# Altium PCB top_LM_v1.PcbDoc (part 2 of 5)
Units mil, origin at the board's own origin, x right, y up, seen from the top; angles counter-clockwise.
Board outline 13413.03 x 6200.01 mil, 2 copper layers (Top Layer, Bottom Layer); 748 components, 568 nets, 1910 pads, 545 vias.
Unrouted connection lines stored in the file: 211.
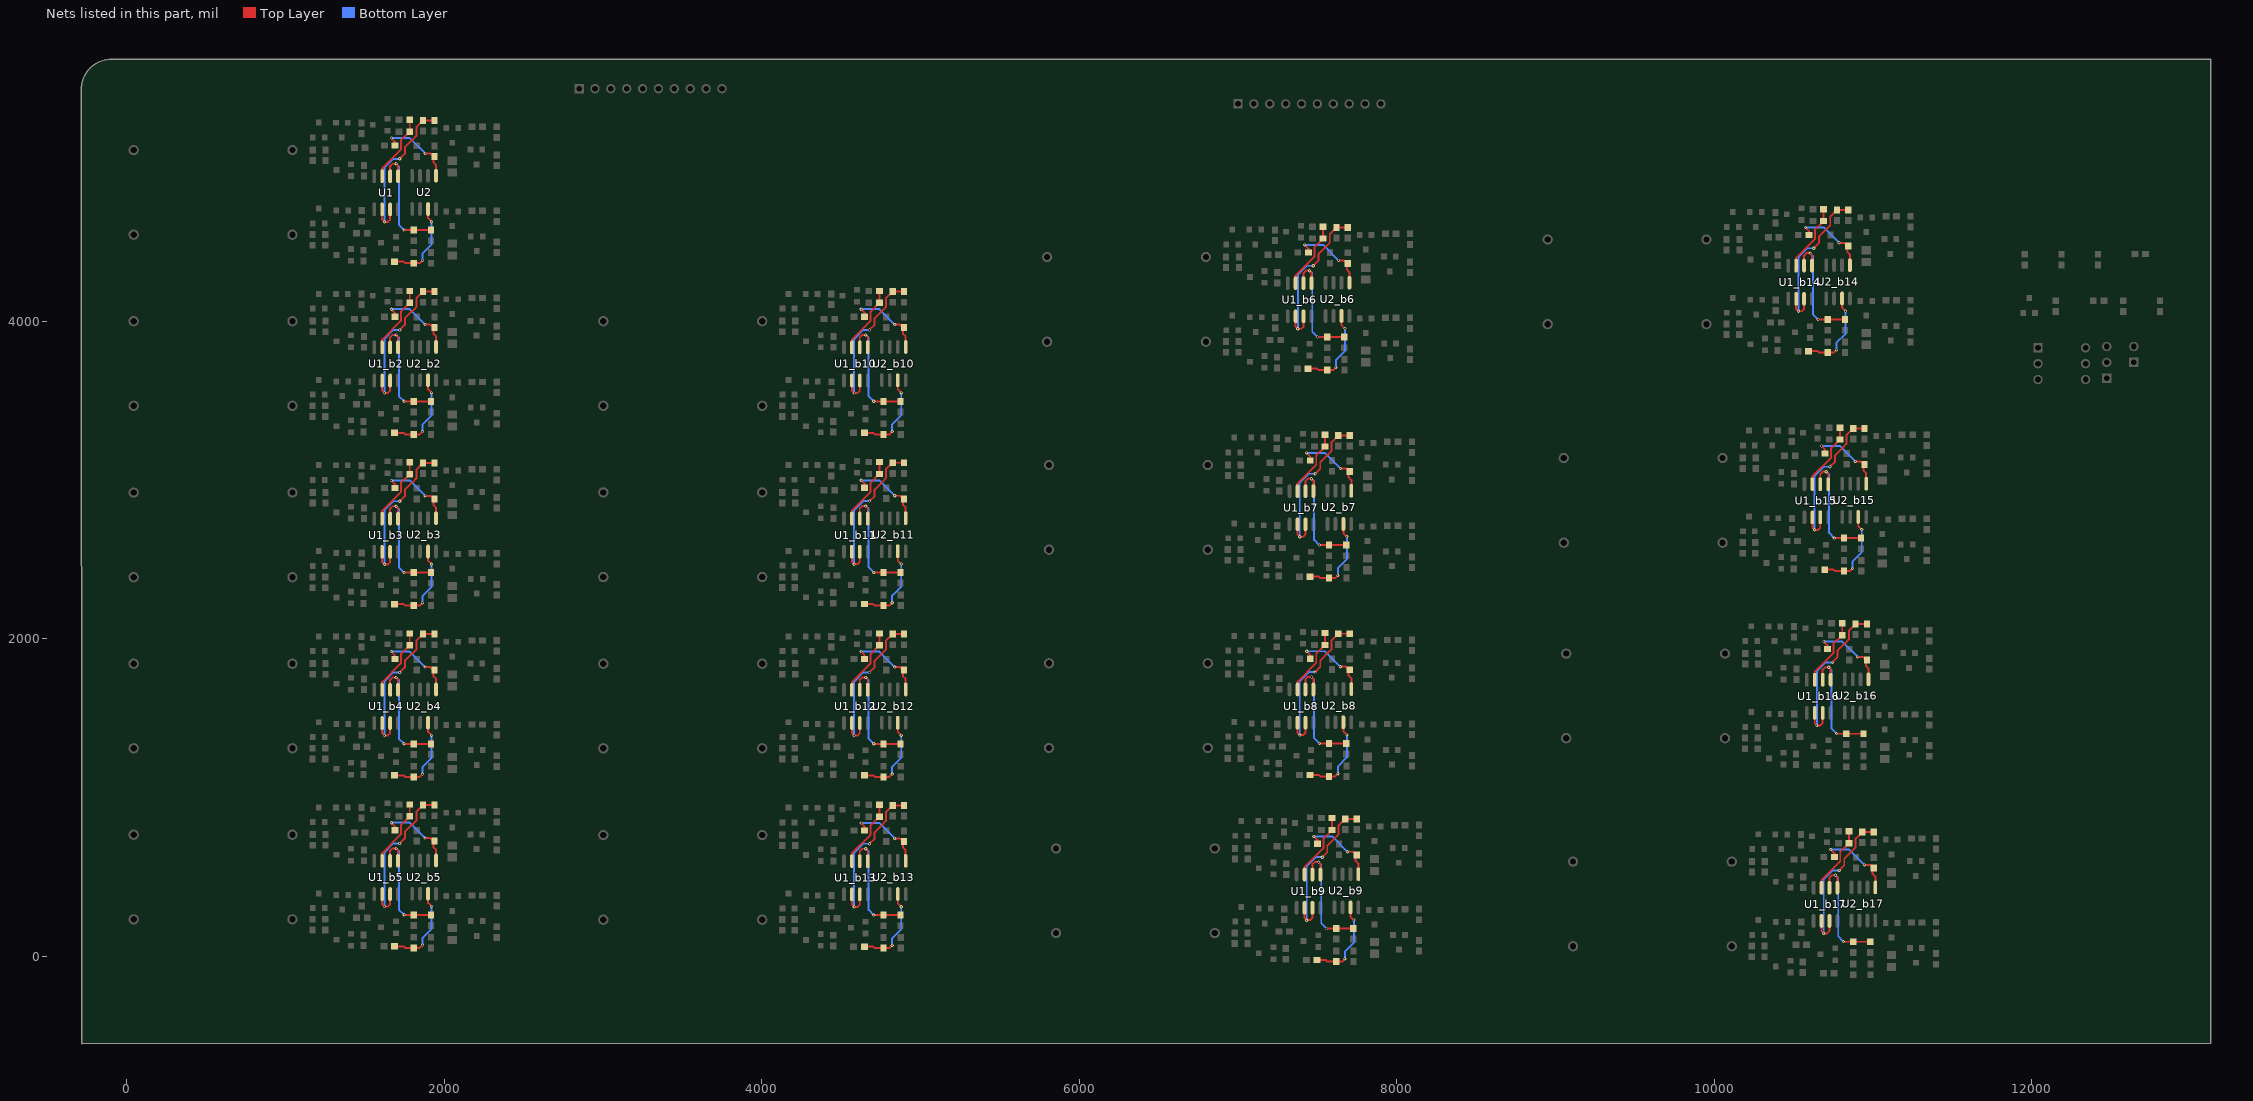
[diagram p2: the nets of this part, all layers, seen from the top]

## Components (designator, comment, footprint, x,y, rotation, side; value= is the part's Value field where it differs from the comment) (continued)
R41_b4 "Res1" 0603-1 1171,1276.26 r270 top (schematic designator R41)
R41_b5 "Res1" 0603-1 1171,199.26 r270 top (schematic designator R41)
R41_b6 "Res1" 0603-1 6923.75,3837.72 r270 top (schematic designator R41)
R41_b7 "Res1" 0603-1 6935.75,2527.72 r270 top (schematic designator R41)
R41_b8 "Res1" 0603-1 6935.75,1278.72 r270 top (schematic designator R41)
R41_b9 "Res1" 0603-1 6980,113 r270 top (schematic designator R41)
R41_b10 "Res1" 0603-1 4129,3433.26 r270 top (schematic designator R41)
R41_b11 "Res1" 0603-1 4129,2355.26 r270 top (schematic designator R41)
R41_b12 "Res1" 0603-1 4129,1276.26 r270 top (schematic designator R41)
R41_b13 "Res1" 0603-1 4129,197.26 r270 top (schematic designator R41)
R41_b14 "Res1" 0603-1 10076,3948 r270 top (schematic designator R41)
R41_b15 "Res1" 0603-1 10178,2571.74 r270 top (schematic designator R41)
R41_b16 "Res1" 0603-1 10193,1340 r270 top (schematic designator R41)
R41_b17 "Res1" 0603-1 10236,30 r270 top (schematic designator R41)
R42 "Res1" 0603-1 1251,4511.26 r270 top
R42_b2 "Res1" 0603-1 1251,3433.26 r270 top (schematic designator R42)
R42_b3 "Res1" 0603-1 1251,2354.26 r270 top (schematic designator R42)
R42_b4 "Res1" 0603-1 1251,1276.26 r270 top (schematic designator R42)
R42_b5 "Res1" 0603-1 1251,199.26 r270 top (schematic designator R42)
R42_b6 "Res1" 0603-1 7003.75,3837.72 r270 top (schematic designator R42)
R42_b7 "Res1" 0603-1 7015.75,2527.72 r270 top (schematic designator R42)
R42_b8 "Res1" 0603-1 7015.75,1278.72 r270 top (schematic designator R42)
R42_b9 "Res1" 0603-1 7060,113 r270 top (schematic designator R42)
R42_b10 "Res1" 0603-1 4209,3433.26 r270 top (schematic designator R42)
R42_b11 "Res1" 0603-1 4209,2355.26 r270 top (schematic designator R42)
R42_b12 "Res1" 0603-1 4209,1276.26 r270 top (schematic designator R42)
R42_b13 "Res1" 0603-1 4209,197.26 r270 top (schematic designator R42)
R42_b14 "Res1" 0603-1 10156,3948 r270 top (schematic designator R42)
R42_b15 "Res1" 0603-1 10258,2571.74 r270 top (schematic designator R42)
R42_b16 "Res1" 0603-1 10273,1340 r270 top (schematic designator R42)
R42_b17 "Res1" 0603-1 10316,30 r270 top (schematic designator R42)
R43 "Res1" 0603-1 1917,4539.26 r270 top
R43_b2 "Res1" 0603-1 1917,3461.26 r270 top (schematic designator R43)
R43_b3 "Res1" 0603-1 1917,2382.26 r270 top (schematic designator R43)
R43_b4 "Res1" 0603-1 1917,1304.26 r270 top (schematic designator R43)
R43_b5 "Res1" 0603-1 1917,227.26 r270 top (schematic designator R43)
R43_b6 "Res1" 0603-1 7669.75,3865.72 r270 top (schematic designator R43)
R43_b7 "Res1" 0603-1 7681.75,2555.72 r270 top (schematic designator R43)
R43_b8 "Res1" 0603-1 7681.75,1306.72 r270 top (schematic designator R43)
R43_b9 "Res1" 0603-1 7726,141 r270 top (schematic designator R43)
R43_b10 "Res1" 0603-1 4875,3461.26 r270 top (schematic designator R43)
R43_b11 "Res1" 0603-1 4875,2383.26 r270 top (schematic designator R43)
R43_b12 "Res1" 0603-1 4875,1304.26 r270 top (schematic designator R43)
R43_b13 "Res1" 0603-1 4875,225.26 r270 top (schematic designator R43)
R43_b14 "Res1" 0603-1 10822,3976 r270 top (schematic designator R43)
R43_b15 "Res1" 0603-1 10924,2599.74 r270 top (schematic designator R43)
R43_b16 "Res1" 0603-1 10939,1368 r270 top (schematic designator R43)
R43_b17 "Res1" 0603-1 10982,58 r270 top (schematic designator R43)
R44 "Res1" 0603-1 1918,4398.26 r270 top
R44_b2 "Res1" 0603-1 1918,3320.26 r270 top (schematic designator R44)
R44_b3 "Res1" 0603-1 1918,2241.26 r270 top (schematic designator R44)
R44_b4 "Res1" 0603-1 1918,1163.26 r270 top (schematic designator R44)
R44_b5 "Res1" 0603-1 1918,86.26 r270 top (schematic designator R44)
R44_b6 "Res1" 0603-1 7670.75,3724.72 r270 top (schematic designator R44)
R44_b7 "Res1" 0603-1 7682.75,2414.72 r270 top (schematic designator R44)
R44_b8 "Res1" 0603-1 7682.75,1165.72 r270 top (schematic designator R44)
R44_b9 "Res1" 0603-1 7727,0 r270 top (schematic designator R44)
R44_b10 "Res1" 0603-1 4876,3320.26 r270 top (schematic designator R44)
R44_b11 "Res1" 0603-1 4876,2242.26 r270 top (schematic designator R44)
R44_b12 "Res1" 0603-1 4876,1163.26 r270 top (schematic designator R44)
R44_b13 "Res1" 0603-1 4876,84.26 r270 top (schematic designator R44)
R44_b14 "Res1" 0603-1 10823,3835 r270 top (schematic designator R44)
R44_b15 "Res1" 0603-1 10925,2458.74 r270 top (schematic designator R44)
R44_b16 "Res1" 0603-1 10940,1227 r270 top (schematic designator R44)
R44_b17 "Res1" 0603-1 10983,-83 r270 top (schematic designator R44)
R45 "Res1" 0603-1 1939,5230.26 r270 top
R45_b2 "Res1" 0603-1 1939,4152.26 r270 top (schematic designator R45)
R45_b3 "Res1" 0603-1 1939,3073.26 r270 top (schematic designator R45)
R45_b4 "Res1" 0603-1 1939,1995.26 r270 top (schematic designator R45)
R45_b5 "Res1" 0603-1 1939,918.26 r270 top (schematic designator R45)
R45_b6 "Res1" 0603-1 7691.75,4556.72 r270 top (schematic designator R45)
R45_b7 "Res1" 0603-1 7703.75,3246.72 r270 top (schematic designator R45)
R45_b8 "Res1" 0603-1 7703.75,1997.72 r270 top (schematic designator R45)
R45_b9 "Res1" 0603-1 7748,832 r270 top (schematic designator R45)
R45_b10 "Res1" 0603-1 4897,4152.26 r270 top (schematic designator R45)
R45_b11 "Res1" 0603-1 4897,3074.26 r270 top (schematic designator R45)
R45_b12 "Res1" 0603-1 4897,1995.26 r270 top (schematic designator R45)
R45_b13 "Res1" 0603-1 4897,916.26 r270 top (schematic designator R45)
R45_b14 "Res1" 0603-1 10844,4667 r270 top (schematic designator R45)
R45_b15 "Res1" 0603-1 10946,3290.74 r270 top (schematic designator R45)
R45_b16 "Res1" 0603-1 10961,2059 r270 top (schematic designator R45)
R45_b17 "Res1" 0603-1 11004,749 r270 top (schematic designator R45)
R46 "Res1" 0603-1 1939,5070.26 r270 top
R46_b2 "Res1" 0603-1 1939,3992.26 r270 top (schematic designator R46)
R46_b3 "Res1" 0603-1 1939,2913.26 r270 top (schematic designator R46)
R46_b4 "Res1" 0603-1 1939,1835.26 r270 top (schematic designator R46)
R46_b5 "Res1" 0603-1 1939,758.26 r270 top (schematic designator R46)
R46_b6 "Res1" 0603-1 7691.75,4396.72 r270 top (schematic designator R46)
R46_b7 "Res1" 0603-1 7703.75,3086.72 r270 top (schematic designator R46)
R46_b8 "Res1" 0603-1 7703.75,1837.72 r270 top (schematic designator R46)
R46_b9 "Res1" 0603-1 7748,672 r270 top (schematic designator R46)
R46_b10 "Res1" 0603-1 4897,3992.26 r270 top (schematic designator R46)
R46_b11 "Res1" 0603-1 4897,2914.26 r270 top (schematic designator R46)
R46_b12 "Res1" 0603-1 4897,1835.26 r270 top (schematic designator R46)
R46_b13 "Res1" 0603-1 4897,756.26 r270 top (schematic designator R46)
R46_b14 "Res1" 0603-1 10844,4507 r270 top (schematic designator R46)
R46_b15 "Res1" 0603-1 10946,3130.74 r270 top (schematic designator R46)
R46_b16 "Res1" 0603-1 10961,1899 r270 top (schematic designator R46)
R46_b17 "Res1" 0603-1 11004,589 r270 top (schematic designator R46)
R47 "Res1" 0603-1 1867,5230.26 r270 top
R47_b2 "Res1" 0603-1 1867,4152.26 r270 top (schematic designator R47)
R47_b3 "Res1" 0603-1 1867,3073.26 r270 top (schematic designator R47)
R47_b4 "Res1" 0603-1 1867,1995.26 r270 top (schematic designator R47)
R47_b5 "Res1" 0603-1 1867,918.26 r270 top (schematic designator R47)
R47_b6 "Res1" 0603-1 7619.75,4556.72 r270 top (schematic designator R47)
R47_b7 "Res1" 0603-1 7631.75,3246.72 r270 top (schematic designator R47)
R47_b8 "Res1" 0603-1 7631.75,1997.72 r270 top (schematic designator R47)
R47_b9 "Res1" 0603-1 7676,832 r270 top (schematic designator R47)
R47_b10 "Res1" 0603-1 4825,4152.26 r270 top (schematic designator R47)
R47_b11 "Res1" 0603-1 4825,3074.26 r270 top (schematic designator R47)
R47_b12 "Res1" 0603-1 4825,1995.26 r270 top (schematic designator R47)
R47_b13 "Res1" 0603-1 4825,916.26 r270 top (schematic designator R47)
R47_b14 "Res1" 0603-1 10772,4667 r270 top (schematic designator R47)
R47_b15 "Res1" 0603-1 10874,3290.74 r270 top (schematic designator R47)
R47_b16 "Res1" 0603-1 10889,2059 r270 top (schematic designator R47)
R47_b17 "Res1" 0603-1 10932,749 r270 top (schematic designator R47)
R48 "Res1" 0603-1 1827,5071.26 r270 top
R48_b2 "Res1" 0603-1 1827,3993.26 r270 top (schematic designator R48)
R48_b3 "Res1" 0603-1 1827,2914.26 r270 top (schematic designator R48)
R48_b4 "Res1" 0603-1 1827,1836.26 r270 top (schematic designator R48)
R48_b5 "Res1" 0603-1 1827,759.26 r270 top (schematic designator R48)
R48_b6 "Res1" 0603-1 7579.75,4397.72 r270 top (schematic designator R48)
R48_b7 "Res1" 0603-1 7591.75,3087.72 r270 top (schematic designator R48)
R48_b8 "Res1" 0603-1 7591.75,1838.72 r270 top (schematic designator R48)
R48_b9 "Res1" 0603-1 7636,673 r270 top (schematic designator R48)
R48_b10 "Res1" 0603-1 4785,3993.26 r270 top (schematic designator R48)
R48_b11 "Res1" 0603-1 4785,2915.26 r270 top (schematic designator R48)
R48_b12 "Res1" 0603-1 4785,1836.26 r270 top (schematic designator R48)
R48_b13 "Res1" 0603-1 4785,757.26 r270 top (schematic designator R48)
R48_b14 "Res1" 0603-1 10732,4508 r270 top (schematic designator R48)
R48_b15 "Res1" 0603-1 10834,3131.74 r270 top (schematic designator R48)
R48_b16 "Res1" 0603-1 10849,1900 r270 top (schematic designator R48)
R48_b17 "Res1" 0603-1 10892,590 r270 top (schematic designator R48)
R49 "Res1" 0603-1 1809,4539.26 r270 top
R49_b2 "Res1" 0603-1 1809,3461.26 r270 top (schematic designator R49)
R49_b3 "Res1" 0603-1 1809,2382.26 r270 top (schematic designator R49)
R49_b4 "Res1" 0603-1 1809,1304.26 r270 top (schematic designator R49)
R49_b5 "Res1" 0603-1 1809,227.26 r270 top (schematic designator R49)
R49_b6 "Res1" 0603-1 7561.75,3865.72 r270 top (schematic designator R49)
R49_b7 "Res1" 0603-1 7573.75,2555.72 r270 top (schematic designator R49)
R49_b8 "Res1" 0603-1 7573.75,1306.72 r270 top (schematic designator R49)
R49_b9 "Res1" 0603-1 7618,141 r270 top (schematic designator R49)
R49_b10 "Res1" 0603-1 4767,3461.26 r270 top (schematic designator R49)
R49_b11 "Res1" 0603-1 4767,2383.26 r270 top (schematic designator R49)
R49_b12 "Res1" 0603-1 4767,1304.26 r270 top (schematic designator R49)
R49_b13 "Res1" 0603-1 4767,225.26 r270 top (schematic designator R49)
R49_b14 "Res1" 0603-1 10714,3976 r270 top (schematic designator R49)
R49_b15 "Res1" 0603-1 10816,2599.74 r270 top (schematic designator R49)
R49_b16 "Res1" 0603-1 10831,1368 r270 top (schematic designator R49)
R49_b17 "Res1" 0603-1 10874,58 r270 top (schematic designator R49)
R50 "Res1" 0603-1 1809,4398.26 r270 top
R50_b2 "Res1" 0603-1 1809,3320.26 r270 top (schematic designator R50)
R50_b3 "Res1" 0603-1 1809,2241.26 r270 top (schematic designator R50)
R50_b4 "Res1" 0603-1 1809,1163.26 r270 top (schematic designator R50)
R50_b5 "Res1" 0603-1 1809,86.26 r270 top (schematic designator R50)
R50_b6 "Res1" 0603-1 7561.75,3724.72 r270 top (schematic designator R50)
R50_b7 "Res1" 0603-1 7573.75,2414.72 r270 top (schematic designator R50)
R50_b8 "Res1" 0603-1 7573.75,1165.72 r270 top (schematic designator R50)
R50_b9 "Res1" 0603-1 7618,0 r270 top (schematic designator R50)
R50_b10 "Res1" 0603-1 4767,3320.26 r270 top (schematic designator R50)
R50_b11 "Res1" 0603-1 4767,2242.26 r270 top (schematic designator R50)
R50_b12 "Res1" 0603-1 4767,1163.26 r270 top (schematic designator R50)
R50_b13 "Res1" 0603-1 4767,84.26 r270 top (schematic designator R50)
R50_b14 "Res1" 0603-1 10714,3835 r270 top (schematic designator R50)
R50_b15 "Res1" 0603-1 10816,2458.74 r270 top (schematic designator R50)
R50_b16 "Res1" 0603-1 10831,1227 r270 top (schematic designator R50)
R50_b17 "Res1" 0603-1 10874,-83 r270 top (schematic designator R50)
U1 "LM358" SOIC-8 1635,4808.26 r270 top
U1_b2 "LM358" SOIC-8 1635,3730.26 r270 top (schematic designator U1)
U1_b3 "LM358" SOIC-8 1635,2651.26 r270 top (schematic designator U1)
U1_b4 "LM358" SOIC-8 1635,1573.26 r270 top (schematic designator U1)
U1_b5 "LM358" SOIC-8 1635,496.26 r270 top (schematic designator U1)
U1_b6 "LM358" SOIC-8 7387.75,4134.72 r270 top (schematic designator U1)
U1_b7 "LM358" SOIC-8 7399.75,2824.72 r270 top (schematic designator U1)
U1_b8 "LM358" SOIC-8 7399.75,1575.72 r270 top (schematic designator U1)
U1_b9 "LM358" SOIC-8 7444,410 r270 top (schematic designator U1)
U1_b10 "LM358" SOIC-8 4593,3730.26 r270 top (schematic designator U1)
U1_b11 "LM358" SOIC-8 4593,2652.26 r270 top (schematic designator U1)
U1_b12 "LM358" SOIC-8 4593,1573.26 r270 top (schematic designator U1)
U1_b13 "LM358" SOIC-8 4593,494.26 r270 top (schematic designator U1)
U1_b14 "LM358" SOIC-8 10540,4245 r270 top (schematic designator U1)
U1_b15 "LM358" SOIC-8 10642,2868.74 r270 top (schematic designator U1)
U1_b16 "LM358" SOIC-8 10657,1637 r270 top (schematic designator U1)
U1_b17 "LM358" SOIC-8 10700,327 r270 top (schematic designator U1)
U2 "LM358" SOIC-8 1874,4810.54 r270 top
U2_b2 "LM358" SOIC-8 1874,3732.54 r270 top (schematic designator U2)
U2_b3 "LM358" SOIC-8 1874,2653.54 r270 top (schematic designator U2)
U2_b4 "LM358" SOIC-8 1874,1575.54 r270 top (schematic designator U2)
U2_b5 "LM358" SOIC-8 1874,498.54 r270 top (schematic designator U2)
U2_b6 "LM358" SOIC-8 7626.75,4137 r270 top (schematic designator U2)
U2_b7 "LM358" SOIC-8 7638.75,2827 r270 top (schematic designator U2)
U2_b8 "LM358" SOIC-8 7638.75,1578 r270 top (schematic designator U2)
U2_b9 "LM358" SOIC-8 7683,412.28 r270 top (schematic designator U2)
U2_b10 "LM358" SOIC-8 4832,3732.54 r270 top (schematic designator U2)
U2_b11 "LM358" SOIC-8 4832,2654.54 r270 top (schematic designator U2)
U2_b12 "LM358" SOIC-8 4832,1575.54 r270 top (schematic designator U2)
U2_b13 "LM358" SOIC-8 4832,496.54 r270 top (schematic designator U2)
U2_b14 "LM358" SOIC-8 10779,4247.28 r270 top (schematic designator U2)
U2_b15 "LM358" SOIC-8 10881,2871.02 r270 top (schematic designator U2)
U2_b16 "LM358" SOIC-8 10896,1639.28 r270 top (schematic designator U2)
U2_b17 "LM358" SOIC-8 10939,329.28 r270 top (schematic designator U2)

## Footprints (in the part's own frame and the unit in brackets; to place one, negate y for a bottom-side part, rotate by r counter-clockwise, add the part's x,y. Pads: shape width x height; smd on the part's side, far side on the other; paste and mask are expansions set on the pad)
0603-1 [mm] "0603带丝印"
  rect 1.1x1 smd: 1(-0.85,0) 2(0.85,0)
  silkscreen extent -1.65,-0.76 1.65,0.76, body extent -0.8,-0.4 0.8,0.4, height 0.3
AXIAL-1.0 [mm] "Adjustable Magnetic-Core Inductor; 2 Leads"
  round 1.65 hole 1: 1(-12.7,0) 2(12.7,0)
  silkscreen extent -10.79,-3.81 10.79,3.81
C-0603 [mm] "贴片电容"
  rect 1.1x1 smd: 1(-0.85,0) 2(0.85,0)
  silkscreen extent -1.73,-0.76 1.73,0.76, body extent -0.8,-0.4 0.8,0.4, height 0.3
DIP-6 [mm]
  rect 1.5x1.5 hole 0.9: 1(-3.81,2.54)
  round 1.5 hole 0.9: 2(-3.81,0) 3(-3.81,-2.54) 4(3.81,-2.54) 5(3.81,0) 6(3.81,2.54)
  silkscreen extent -3.93,-3.94 2.65,3.96, body extent -3.6,-3.94 3.6,3.88, height 5.08
HDR2X1-2.54 [mm] "2.54单排针排座"
  rect 1.5x1.5 hole 0.9: 1(0,0)
  round 1.5 hole 0.9: 2(2.54,0)
  silkscreen extent -1.27,-1.27 3.81,1.27, body extent -1.27,-1.27 3.81,1.27, height 8.54
HDR3X1-2.54 [mm] "2.54单排针排座"
  rect 1.5x1.5 hole 0.9: 1(0,0)
  round 1.5 hole 0.9: 2(2.54,0) 3(5.08,0)
  silkscreen extent -1.27,-1.27 6.35,1.27, body extent -1.27,-1.27 6.35,1.27, height 8.54
HDR10X1-2.54 [mm]
  rect 1.5x1.5 hole 0.9: 1(-12.7,0)
  round 1.5 hole 0.9: 2(-10.16,0) 3(-7.62,0) 4(-5.08,0) 5(-2.54,0) 6(0,0) 7(2.54,0) 8(5.08,0) 9(7.62,0) 10(10.16,0)
  silkscreen extent -13.97,-1.27 11.43,1.27
LED-0805 [mm] "贴片LED"
  rect 1.3x1.5 smd: 1(-0.95,0) 2(0.95,0)
  silkscreen extent 1.91,-0.63 1.91,0.64
SOIC-8 [mm]
  oval 2.2x0.6 smd: 1(-2.654,1.905) 2(-2.654,0.635) 3(-2.654,-0.635) 4(-2.654,-1.905) 5(2.654,-1.905) 6(2.654,-0.635) 7(2.654,0.635) 8(2.654,1.905)
  silkscreen extent -2.52,-2.5 0.9,2.88, body extent -3,-2.45 3,2.45, height 1.7
SOT23-3 [mm]
  rect 0.9x0.95 smd: 1(-0.95,-1.175) 2(0.95,-1.175) 3(0,1.175)
  silkscreen extent -2.03,-1.14 1.3,1.18, body extent -1.45,-1.4 1.45,1.4, height 1.2

## Part data
C1: "贴片瓷片电容"
D1 D1_b2 D1_b3 D1_b4 D1_b5 D1_b6 D1_b7 D1_b8 D1_b9 D1_b14 D1_b15 D1_b16 D1_b17 D2 D2_b2 D2_b3 D2_b4 D2_b5 D2_b6 D2_b7 D2_b8 D2_b9 D2_b14 D2_b15 D2_b16 D2_b17: library part Diode-R, "整流二极管"
J1: "固态继电器"
P1 P2 P5 P6: "接插件"
Q1 Q1_b2 Q1_b3 Q1_b4 Q1_b5 Q1_b6 Q1_b7 Q1_b8 Q1_b9 Q1_b10 Q1_b11 Q1_b12 Q1_b13 Q1_b14 Q1_b15 Q1_b16 Q1_b17 Q2 Q2_b2 Q2_b3 Q2_b4 Q2_b5 Q2_b6 Q2_b7 Q2_b8 Q2_b9 Q2_b14 Q2_b15 Q2_b16 Q2_b17 Q6 Q6_b2 Q6_b3 Q6_b4 Q6_b5 Q6_b6 Q6_b7 Q6_b8 Q6_b9 Q6_b10 Q6_b11 Q6_b12 Q6_b13 Q6_b14 Q6_b15 Q6_b16 Q6_b17 Q7 Q7_b2 Q7_b3 Q7_b4 Q7_b5 Q7_b6 Q7_b7 Q7_b8 Q7_b9 Q7_b14 Q7_b15 Q7_b16 Q7_b17 Q11 Q11_b2 Q11_b3 Q11_b4 Q11_b5 Q11_b6 Q11_b7 Q11_b8 Q11_b9 Q11_b10 Q11_b11 Q11_b12 Q11_b13 Q11_b14 Q11_b15 Q11_b16 Q11_b17 Q12 Q12_b2 Q12_b3 Q12_b4 Q12_b5 Q12_b6 Q12_b7 Q12_b8 Q12_b9 Q12_b10 Q12_b11 Q12_b12 Q12_b13 Q12_b14 Q12_b15 Q12_b16 Q12_b17: library part PNP1, "贴片三极管"
Q3 Q3_b2 Q3_b3 Q3_b4 Q3_b5 Q3_b6 Q3_b7 Q3_b8 Q3_b9 Q3_b10 Q3_b11 Q3_b12 Q3_b13 Q3_b14 Q3_b15 Q3_b16 Q3_b17 Q8 Q8_b2 Q8_b3 Q8_b4 Q8_b5 Q8_b6 Q8_b7 Q8_b8 Q8_b9 Q8_b10 Q8_b11 Q8_b12 Q8_b13 Q8_b14 Q8_b15 Q8_b16 Q8_b17 Q13: library part NPN1, "贴片三极管"
Q4 Q4_b2 Q4_b3 Q4_b4 Q4_b5 Q4_b6 Q4_b7 Q4_b8 Q4_b9 Q4_b14 Q4_b15 Q4_b16 Q4_b17 Q9 Q9_b2 Q9_b3 Q9_b4 Q9_b5 Q9_b6 Q9_b7 Q9_b8 Q9_b9 Q9_b14 Q9_b15 Q9_b16 Q9_b17: "可控精密稳压源"
Q5 Q5_b2 Q5_b3 Q5_b4 Q5_b5 Q5_b6 Q5_b7 Q5_b8 Q5_b9 Q5_b10 Q5_b11 Q5_b12 Q5_b13 Q5_b14 Q5_b15 Q5_b16 Q5_b17 Q10 Q10_b2 Q10_b3 Q10_b4 Q10_b5 Q10_b6 Q10_b7 Q10_b8 Q10_b9 Q10_b10 Q10_b11 Q10_b12 Q10_b13 Q10_b14 Q10_b15 Q10_b16 Q10_b17: library part MOSFET-N1, "MOSFET"
R1 R1_b2 R1_b3 R1_b4 R1_b5 R1_b6 R1_b7 R1_b8 R1_b9 R1_b10 R1_b11 R1_b12 R1_b13 R1_b14 R1_b15 R1_b16 R1_b17 R6 R6_b2 R6_b3 R6_b4 R6_b5 R6_b6 R6_b7 R6_b8 R6_b9 R6_b10 R6_b11 R6_b12 R6_b13 R6_b14 R6_b15 R6_b16 R6_b17 R7 R7_b2 R7_b3 R7_b4 R7_b5 R7_b6 R7_b7 R7_b8 R7_b9 R7_b14 R7_b15 R7_b16 R7_b17 R8 R8_b2 R8_b3 R8_b4 R8_b5 R8_b6 R8_b7 R8_b8 R8_b9 R8_b14 R8_b15 R8_b16 R8_b17 R9 R9_b2 R9_b3 R9_b4 R9_b5 R9_b6 R9_b7 R9_b8 R9_b9 R9_b10 R9_b11 R9_b12 R9_b13 R9_b14 R9_b15 R9_b16 R9_b17 R10 R10_b2 R10_b3 R10_b4 R10_b5 R10_b6 R10_b7 R10_b8 R10_b9 R10_b10 R10_b11 R10_b12 R10_b13 R10_b14 R10_b15 R10_b16 R10_b17 R11 R11_b2 R11_b3 R11_b4 R11_b5 R11_b6 R11_b7 R11_b8 R11_b9 R11_b10 R11_b11 R11_b12 R11_b13 R11_b14 R11_b15 R11_b16 R11_b17 R12 R12_b2 R12_b3 R12_b4 R12_b5 R12_b6 R12_b7 R12_b8 R12_b9 R12_b10 R12_b11 R12_b12 R12_b13 R12_b14 R12_b15 R12_b16 R12_b17 R13 R13_b2 R13_b3 R13_b4 R13_b5 R13_b6 R13_b7 R13_b8 R13_b9 R13_b14 R13_b15 R13_b16 R13_b17 R14 R14_b2 R14_b3 R14_b4 R14_b5 R14_b6 R14_b7 R14_b8 R14_b9 R14_b10 R14_b11 R14_b12 R14_b13 R14_b14 R14_b15 R14_b16 R14_b17 R19 R19_b2 R19_b3 R19_b4 R19_b5 R19_b6 R19_b7 R19_b8 R19_b9 R19_b10 R19_b11 R19_b12 R19_b13 R19_b14 R19_b15 R19_b16 R19_b17 R20 R20_b2 R20_b3 R20_b4 R20_b5 R20_b6 R20_b7 R20_b8 R20_b9 R20_b14 R20_b15 R20_b16 R20_b17 R21 R21_b2 R21_b3 R21_b4 R21_b5 R21_b6 R21_b7 R21_b8 R21_b9 R21_b14 R21_b15 R21_b16 R21_b17 R22 R22_b2 R22_b3 R22_b4 R22_b5 R22_b6 R22_b7 R22_b8 R22_b9 R22_b10 R22_b11 R22_b12 R22_b13 R22_b14 R22_b15 R22_b16 R22_b17 R23 R23_b2 R23_b3 R23_b4 R23_b5 R23_b6 R23_b7 R23_b8 R23_b9 R23_b10 R23_b11 R23_b12 R23_b13 R23_b14 R23_b15 R23_b16 R23_b17 R24 R24_b2 R24_b3 R24_b4 R24_b5 R24_b6 R24_b7 R24_b8 R24_b9 R24_b14 R24_b15 R24_b16 R24_b17 R25 R26 R27 R28 R29 R30 R31 R35 R35_b2 R35_b3 R35_b4 R35_b5 R35_b6 R35_b7 R35_b8 R35_b9 R35_b10 R35_b11 R35_b12 R35_b13 R35_b14 R35_b15 R35_b16 R35_b17 R37 R37_b2 R37_b3 R37_b4 R37_b5 R37_b6 R37_b7 R37_b8 R37_b9 R37_b10 R37_b11 R37_b12 R37_b13 R37_b14 R37_b15 R37_b16 R37_b17 R39 R39_b2 R39_b3 R39_b4 R39_b5 R39_b6 R39_b7 R39_b8 R39_b9 R39_b10 R39_b11 R39_b12 R39_b13 R39_b14 R39_b15 R39_b16 R39_b17 R40 R40_b2 R40_b3 R40_b4 R40_b5 R40_b6 R40_b7 R40_b8 R40_b9 R40_b10 R40_b11 R40_b12 R40_b13 R40_b14 R40_b15 R40_b16 R40_b17 R41 R41_b2 R41_b3 R41_b4 R41_b5 R41_b6 R41_b7 R41_b8 R41_b9 R41_b10 R41_b11 R41_b12 R41_b13 R41_b14 R41_b15 R41_b16 R41_b17 R42 R42_b2 R42_b3 R42_b4 R42_b5 R42_b6 R42_b7 R42_b8 R42_b9 R42_b10 R42_b11 R42_b12 R42_b13 R42_b14 R42_b15 R42_b16 R42_b17 R43 R43_b2 R43_b3 R43_b4 R43_b5 R43_b6 R43_b7 R43_b8 R43_b9 R43_b10 R43_b11 R43_b12 R43_b13 R43_b14 R43_b15 R43_b16 R43_b17 R44 R44_b2 R44_b3 R44_b4 R44_b5 R44_b6 R44_b7 R44_b8 R44_b9 R44_b10 R44_b11 R44_b12 R44_b13 R44_b14 R44_b15 R44_b16 R44_b17 R45 R45_b2 R45_b3 R45_b4 R45_b5 R45_b6 R45_b7 R45_b8 R45_b9 R45_b10 R45_b11 R45_b12 R45_b13 R45_b14 R45_b15 R45_b16 R45_b17 R46 R46_b2 R46_b3 R46_b4 R46_b5 R46_b6 R46_b7 R46_b8 R46_b9 R46_b10 R46_b11 R46_b12 R46_b13 R46_b14 R46_b15 R46_b16 R46_b17 R47 R47_b2 R47_b3 R47_b4 R47_b5 R47_b6 R47_b7 R47_b8 R47_b9 R47_b10 R47_b11 R47_b12 R47_b13 R47_b14 R47_b15 R47_b16 R47_b17 R48 R48_b2 R48_b3 R48_b4 R48_b5 R48_b6 R48_b7 R48_b8 R48_b9 R48_b10 R48_b11 R48_b12 R48_b13 R48_b14 R48_b15 R48_b16 R48_b17 R49 R49_b2 R49_b3 R49_b4 R49_b5 R49_b6 R49_b7 R49_b8 R49_b9 R49_b10 R49_b11 R49_b12 R49_b13 R49_b14 R49_b15 R49_b16 R49_b17 R50 R50_b2 R50_b3 R50_b4 R50_b5 R50_b6 R50_b7 R50_b8 R50_b9 R50_b10 R50_b11 R50_b12 R50_b13 R50_b14 R50_b15 R50_b16 R50_b17: "贴片电阻"
U1 U1_b2 U1_b3 U1_b4 U1_b5 U1_b6 U1_b7 U1_b8 U1_b9 U1_b10 U1_b11 U1_b12 U1_b13 U1_b14 U1_b15 U1_b16 U1_b17 U2 U2_b2 U2_b3 U2_b4 U2_b5 U2_b6 U2_b7 U2_b8 U2_b9 U2_b10 U2_b11 U2_b12 U2_b13 U2_b14 U2_b15 U2_b16 U2_b17: "双运放"